# Altium PCB ASCII-senoko_pvt1.PcbDoc (part 3 of 3) (continued)
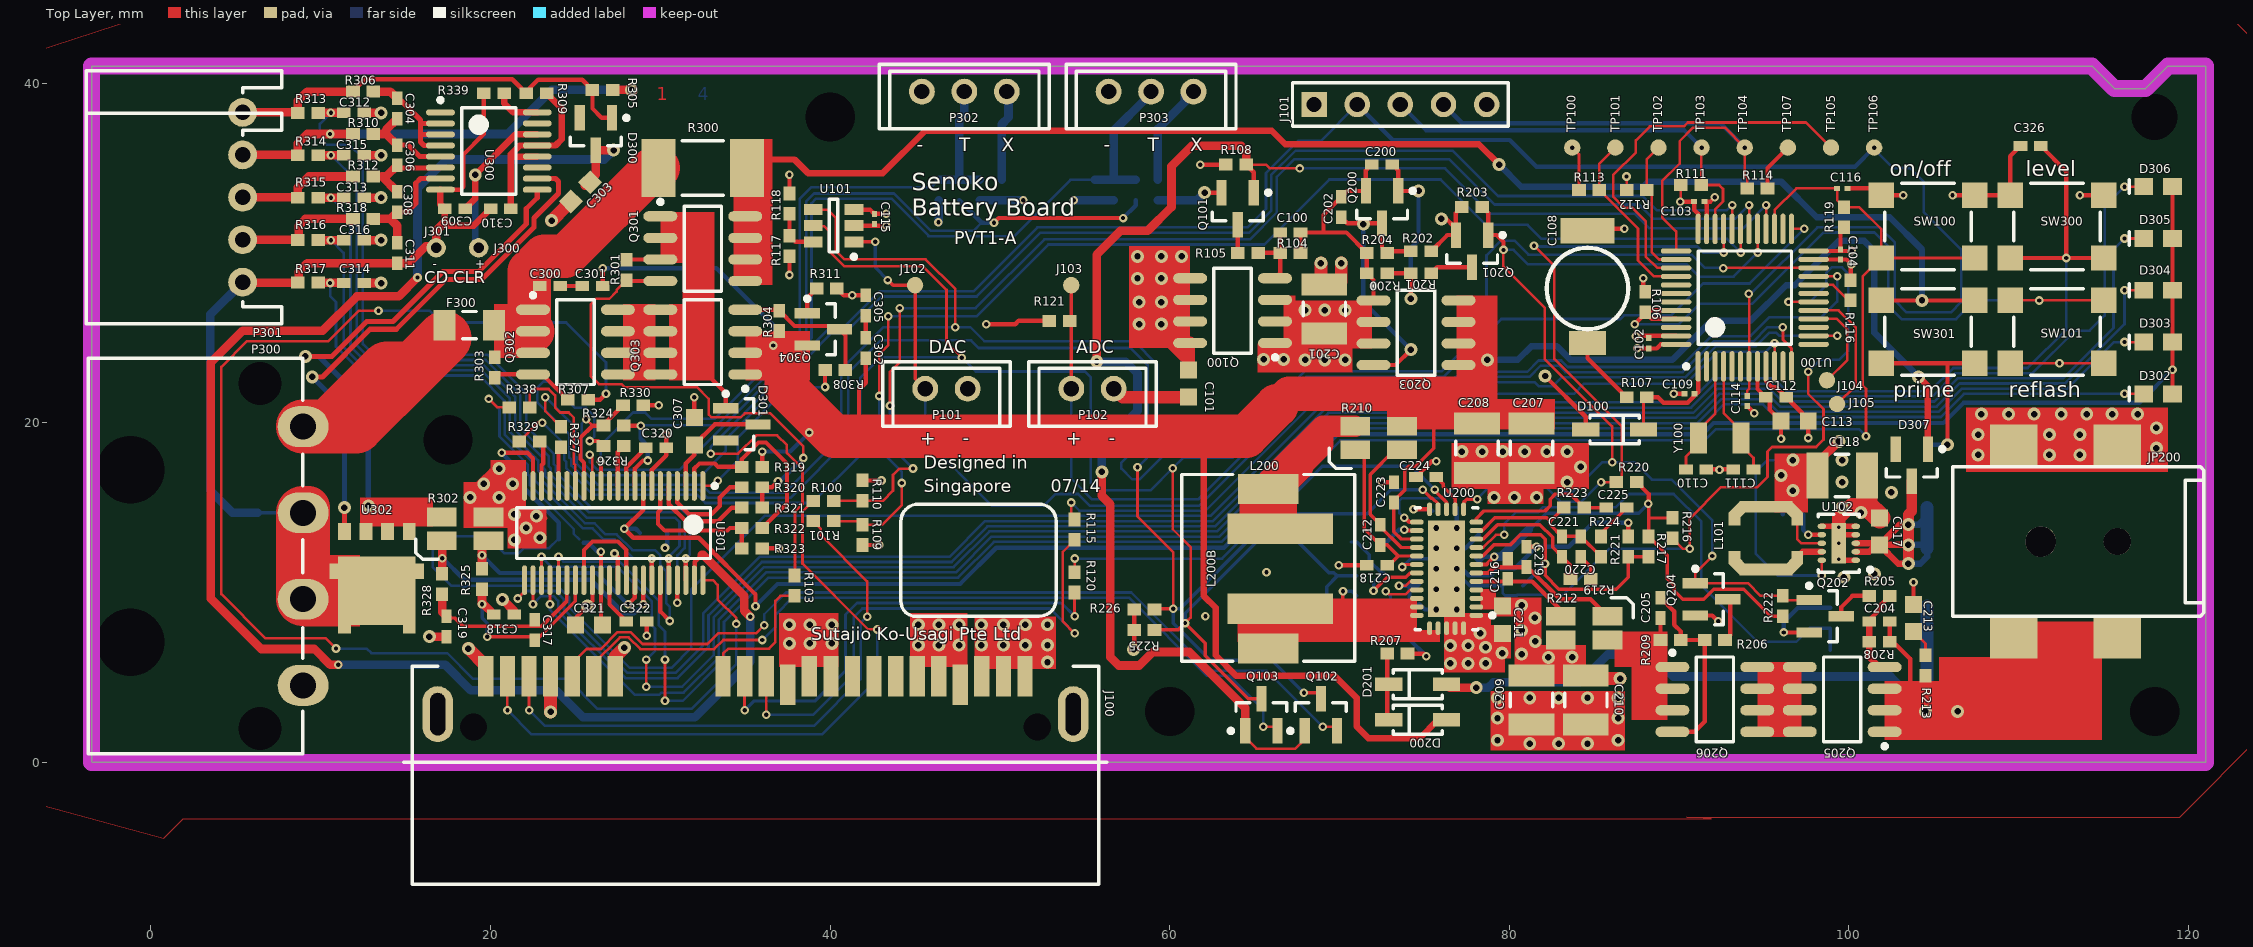
[diagram p0: Top Layer view]
## Nets (pads, with @x,y where several pads share a name; then routed paths per layer and width w, separated by ;. In a path a pad name is that pad's centre, name@x,y a point inside that pad or via, vN(x,y) a via of type N, cw(c..) or ccw(c..) an arc to the next point about the centre after c; other vN are vias at no path point) (continued)
  Top Layer w0.381: C309.1@18.5,32.6 19.1,33.2 v2(19.1,34.6) 21.475,36.975 U300.14@22.75,36.975
  Bottom Layer w0.381: v2(19.1,34.6) 19.1,30.7 J300.1@19.5,30.3
P2_OUT: U300.10 U302.4 | length 31.2
  Top Layer w0.305: v2(9.5,22.7) 10.1,22.7 12.9,25.5 14.447,25.5 17.389,28.443 19.489,28.443 22.557,31.511 22.557,32.057 24,33.5 24,34.2 23.825,34.375 U300.10@22.75,34.375 ; U302.4@11.395,13.595 v2(11.395,14.995)
  Bottom Layer w0.305: v2(9.5,22.7) 11.395,20.805 v2(11.395,14.995)
P2_PCKN: R302.2 U300.9 U302.1 U302.2 U302.3 | length 29.3
  Top Layer w0.305: v2(9.1,23.9) 10.653,23.9 12.711,25.957 14.257,25.957 17.2,28.9 19.3,28.9 22.1,31.7 22.1,32.6 22.75,33.25 U300.9@22.75,33.725
  Bottom Layer w0.305: v2(9.1,23.9) 9.9,23.9 12.8,21 v2(12.8,15.1)
P2_VC1: C304.1 R306.2 U300.2 U300.3 U300.4 | length 8.4
  Top Layer w0.305: C304.1@14.5,39.1 14.6,39.1 15.875,37.825 15.875,37.625 ; U300.4@17.05,36.325 16.075,36.325 15.875,36.525 15.875,37 ; U300.3@17.05,36.975 15.9,36.975 15.875,37 ; U300.2@17.05,37.625 15.875,37.625 ; 15.875,37 15.875,37.625
  Top Layer w0.508: R306.2@13.1,39.5 14.1,39.5 C304.1@14.5,39.1
P2_VC2: C304.2 C306.1 R310.2 U300.5 | length 5.7
  Top Layer w0.305: C306.1@14.5,36.35 15.15,36.35 15.825,35.675 U300.5@17.05,35.675
  Top Layer w0.508: R310.2@13.1,37 13.85,37 ; C306.1@14.5,36.35 13.85,37 ; C304.2@14.5,37.9 13.85,37.25 13.85,37
P2_VC3: C306.2 C308.1 R312.2 U300.6 | length 5.1
  Top Layer w0.305: C306.2@14.5,35.15 14.65,35 17.025,35 U300.6@17.05,35.025
  Top Layer w0.508: C308.1@14.5,33.6 13.6,34.5 13.85,34.5 C306.2@14.5,35.15
P2_VC4: C308.2 C311.1 R318.2 U300.7 | length 7.2
  Top Layer w0.305: C308.2@14.5,32.4 15.1,32.4 15.6,32.9 15.6,34.1 15.875,34.375 U300.7@17.05,34.375
  Top Layer w0.508: R318.2@13.1,32 14.1,32 ; C311.1@14.5,30.6 14.5,31.6 14.1,32 ; C308.2@14.5,32.4 14.1,32
P3.3V_UC: C102.1 C103.1 C104.1 C112.2 C113.2 C115.1 C118.1 C222.1 D100.1 J101.1 L101.2 R102.1 R108.1 R109.2 R110.2 R111.2 R112.2 R113.2 R117.1 R119.2 R121.2 R225.1 R226.1 SW101.1 SW101.2 TP100.1 U100.9 U100.24 U100.36 U100.48 U101.2 U102.8 U102.10 U200.17 | length 62.4
  Top Layer w0.152: v1(83.7,36.2) 84.1,35.8 R113.2@84.1,33.7 ; R112.2@86.9,33.7 v1(86.9,34.5) ; v1@90.05,33.025 90.1,33.075 R111.2@90.1,34 ; L101.2@96.95,14.325 96.95,13.15 97.2,12.9 U102.8@98.4,12.9 ; v1(98.4,11) U102.10@98.4,11.9 ; SW101.1@109.5,23.5 SW101.2@115,23.5
  Top Layer w0.254: v1@37.575,28.675 v1(37.6,28.7) R117.1@37.6,29.8 ; U101.2@41.4,31.6 v1(43.3,31.6) ; R109.2@41.9,12.8 v1(42.875,12.8) ; R110.2@41.9,16.6 v1(43.025,16.6) ; v1(49.2,25.8) 50.9,25.8 51.1,26 R121.2@52.9,26 ; v2(57.875,6.65) 57.9,6.675 R225.1@57.9,7.8 R226.1@57.9,9 ; v1(61.8,35.2) R108.1@63.3,35.2 ; v1(74.35,14.9) U200.17@75.3,14.9 ; v2(82.1,22.75) 84.5,20.35 D100.1@84.5,19.6 D100.1@84.775,19.6 ; v1(87.525,24.375) 88.675,24.375 88.914,24.614 U100.48@89.817,24.614 ; v1@90.05,33.025 v1(90.055,33.02) C103.1@90.88,33.02 90.88,32.545 91.117,32.308 U100.36@91.117,31.414 ; U100.9@95.117,23.314 95.117,22.438 95.475,22.079 95.721,22.079 C112.2@96.3,21.5 97.6,20.2 C113.2@97.6,20.1 v1(97.6,19.1) ; U100.24@97.917,30.114 v1(100.164,30.114) v1@100.175,30.125 ; C104.1@99.5,30.2 R119.2@99.5,31.3
  Top Layer w0.508: C118.1@98.15,16.9 98.15,17.65 v2(99.4,18.9)
  Bottom Layer w0.152: v2(96.7,17.8) 95.2,17.8 94.5,17.1 94.5,12.3 95.8,11 v1(98.4,11)
  Bottom Layer w0.254: v1(74.35,14.9) 75.35,14.9 C222.1@75.45,14.8 ; R102.1@96.1,14.6 96.1,15.4 v2(96.7,16)
  other v1: 112.4,23.5
  other v2: 96,16.9
PM_JRST: R113.1 TP101.1 U100.40 | length 10.6
  Top Layer w0.152: TP101.1@86.24,36.2 85.3,35.26 R113.1@85.3,33.7 87.575,31.425 87.575,29.55 88.511,28.614 U100.40@89.817,28.614
PM_JTCK: J101.4 R114.2 TP104.1 U100.37 | length 33.1
  Top Layer w0.152: U100.37@89.817,30.114 89.817,31.258 89,32.075 89,34.225 90.025,35.25 90.025,36.575 90.825,37.375 92.685,37.375 v1(93.86,36.2) 93.86,34.565 94,34.425 R114.2@94,33.8
  Bottom Layer w0.254: J101.4@76.12,38.74 77.224,37.636 92.424,37.636 v1(93.86,36.2)
PM_JTDI: R112.1 TP102.1 U100.38 | length 8.2
  Top Layer w0.152: TP102.1@88.78,36.2 88.1,35.52 R112.1@88.1,33.7 88.375,33.425 88.375,30.05 88.811,29.614 U100.38@89.817,29.614
PM_JTDO: TP105.1 U100.39 | length 23.1
  Top Layer w0.152: U100.39@89.817,29.114 88.711,29.114 88.025,29.8 88.025,31.875 87.25,32.65 86.781,32.65 86.116,33.316 86.116,34.591 87.45,35.925 87.45,36.625 88.275,37.45 90.275,37.45 90.505,37.68 97.46,37.68 TP105.1@98.94,36.2
PM_JTMS: J101.3 R111.1 TP103.1 U100.34 | length 24.9
  Top Layer w0.152: v1(91.32,36.2) 91.3,36.18 R111.1@91.3,34 92.35,34 92.583,33.767 92.583,33.033 92.125,32.575 92.125,31.422 U100.34@92.117,31.414
  Bottom Layer w0.254: J101.3@73.58,38.74 75.091,37.229 90.291,37.229 v1(91.32,36.2)
PM_NRST: C114.1 J101.2 R103.1 TP106.1 U100.7 | length 130.1
  Top Layer w0.152: v1(32.975,18.175) 34.575,18.175 35.65,19.25 36.875,19.25 37.45,18.675 37.45,18.218 38.371,17.296 38.371,15.202 37.93,14.761 R103.1@37.93,11.087 ; C114.1@94.008,21.582 94.008,21.883 94.117,21.992 U100.7@94.117,23.314 94.117,27.583 v1(94.1,27.6)
  Bottom Layer w0.152: v1(32.975,18.175) 32.975,18.595 39.96,25.58 40.755,25.58 42.91,27.735 48.446,27.735 52.212,31.5 64.565,31.5 65.665,32.6 65.665,34.703 67.563,36.6 68.9,36.6 J101.2@71.04,38.74 ; v1(94.1,27.6) 94.23,27.6 98.135,31.505 101.795,31.505 102.7,30.6 102.7,27.2 103.4,26.5 106,26.5 106.6,27.1 106.6,30.2 104.4,32.4 104.4,34.2 103.6,35 102.6,35 101.48,36.12 v1(101.48,36.2)
  Bottom Layer w0.254: J101.2@71.04,38.74 73.13,36.65 80.025,36.65 81.6,35.075 100.355,35.075 v1(101.48,36.2)
PM_OSC32_IN: C110.1 U100.3 Y100.2 | length 7
  Top Layer w0.152: C110.1@90.273,17.252 C110.1@90.4,17.252 ; C110.1@90.4,17.25 C110.1@90.4,17.252 ; C110.1@90.512,17.252 C110.1@90.4,17.252 ; U100.3@92.117,23.314 92.117,20.517 91.15,19.55 Y100.2@91.15,19.1 91.15,18.75 90.4,18 C110.1@90.4,17.252
PM_OSC32_OUT: C111.1 U100.4 Y100.1 | length 6.8
  Top Layer w0.152: U100.4@92.617,23.314 92.617,20.583 93.65,19.55 Y100.1@93.65,19.1 93.65,18.65 94.375,17.925 C111.1@94.375,17.25 ; C111.1@94.223,17.286 C111.1@94.257,17.252
PM_REFLASH_ALRT: R106.2 SW101.3 SW101.4 U100.44 U100.45 | length 41
  Top Layer w0.152: SW101.3@109.5,27.2 SW101.4@115,27.2
  Top Layer w0.254: v1(87.375,25.8) 88,26.425 R106.2@88,26.5 ; U100.45@89.817,26.114 88.386,26.114 R106.2@88,26.5 ; U100.44@89.817,26.614 88.114,26.614 R106.2@88,26.5
  Bottom Layer w0.152: v1(87.375,25.8) 90,25.8 91.2,27 94.3,27 98.5,31.2 101.5,31.2 102.3,30.4 102.3,26.9 103.1,26.1 106.3,26.1 107.4,27.2 v1(111.2,27.2)
PM_TO_HOST_UART: R100.1 R110.1 U100.30 | length 74.3
  Top Layer w0.152: R100.1@40.2,15.4 R110.1@41.9,15.4 43.1,15.4 43.7,16 43.7,16.925 44.075,17.3 v1(44.875,17.3) ; v1(43.525,21) 43.525,23 44.1,23.575 v1(44.1,26.75) ; U100.30@94.117,31.414 v1(94.117,32.817)
  Bottom Layer w0.152: v1(43.525,21) 43.525,18.65 v1(44.875,17.3) ; v1(44.1,26.75) 48.569,26.75 52.619,30.8 64.728,30.8 66.3,32.372 66.3,34.475 67.35,35.525 76.45,35.525 79.125,32.85 87.625,32.85 88.475,32 93.3,32 v1(94.117,32.817)
PM_VBAT: C109.1 D100.2 R107.2 U100.1 | length 7
  Top Layer w0.152: D100.2@87.9,19.6 87.9,21.3 R107.2@88.1,21.5 ; C109.1@90.914,21.658 C109.1@90.914,21.707
  Top Layer w0.254: R107.2@88.1,21.5 88.75,21.5 89.08,21.17 90.497,21.17 91.117,21.789 U100.1@91.117,23.314
PWR_TO_HOST: C101.1 J100.1 J100.2 J100.3 Q100.5 Q100.6 Q100.7 Q100.8 | length 3.1
  Top Layer w0.762: 60.1,24.7 61.1,23.7 ; C101.1@61.1,23.1 61.1,23.7 ; Q100.8@61.2,24.695 61.1,24.595 61.1,23.7
  other v2: 52.8,5.9 48.9,6.9 50.2,6.9 51.5,6.9 52.8,6.9 48.9,8.1 50.2,8.1 51.5,8.1 52.8,8.1 58.2,25.8 59.5,25.8 58.2,27.1 59.5,27.1 58.1,28.5 59.5,28.5 58.1,29.8 59.5,29.8 60.7,29.8
RAW_ACIN: C204.2 D101.1 D201.1 JP200.1 Q205.1 Q205.2 Q205.3 R208.1 R213.1 R214.1 | length 43.2
  Top Layer w0.254: C204.2@102.4,8.3 R208.1@102.4,7.1 102.6,7.1 103.6,6.1 103.6,4.3
  Top Layer w0.508: D201.1@76.3,4.6 76.5,4.4 v2(78.05,4.4)
  Bottom Layer w0.508: v2(78.05,4.4) 78.756,4.4 79.063,4.707 84.157,4.707 85.8,6.35 88.35,6.35 89.65,5.05 102.45,5.05 v2(104.5,3) v2(106.4,3)
  Bottom Layer w0.762: v2(104.5,3) 104.6,3.1 D101.1@104.6,9.2
UC_BOOTSTRAP: C117.1 D101.2 D307.3 D308.2 U102.2 U102.3 | length 20.9
  Top Layer w0.381: U102.2@100.4,12.4 101.2,12.4 101.7,12.9 U102.3@100.4,12.9 ; v2(103.5,11.7) 102.9,11.7 C117.1@101.8,12.8 ; v2(103.5,12.8) C117.1@101.8,12.8 ; v2(103.5,14) 103,14 C117.1@101.8,12.8
  Top Layer w0.635: v2(103.5,11.7) v2(103.5,14) 103.5,14.6 103.7,14.8 D307.3@103.7,16.55
  Bottom Layer w0.381: v2(103.5,11.7) 104.2,11.7 104.6,12.1 D101.2@104.6,12.6 104.4,12.8 v2(103.5,12.8) ; v2(103.5,14) 104.1,14 104.6,14.5 D308.2@104.6,15
  Bottom Layer w0.762: D101.2@104.6,12.6 D308.2@104.6,15
USART2_TX_ADC2: J103.1 P102.1 R121.1 U100.12 | length 60.8
  Top Layer w0.178: v1(96.1,25.614) 96.1,24.9 96.617,24.383 U100.12@96.617,23.314
  Top Layer w0.203: P102.1@54.2,22 J103.1@54.2,28.1
  Bottom Layer w0.152: P102.1@54.2,22 54.2,16.7 55.4,15.5 61.693,15.5 68.302,22.109 76.678,22.109 77.264,22.695 81.183,22.695 81.847,23.36 82.917,23.36 83.3,22.976 90.207,22.976 92.026,24.795 94.364,24.795 95.183,25.614 v1(96.1,25.614)
VBAT: F300.1 P300.1 | length 17
  Top Layer w3.175: P300.1@8.96,19.77 10.47,19.77 ; F300.1@17.3,25 15.5,23.2 ; 10.47,19.77 13.9,23.2 15.5,23.2 ; 10.47,19.77 12.07,19.77 15.5,23.2
VC1: D300.1 P301.1 R305.2 R306.1 R309.1 R313.1 | length 25.3
  Top Layer w0.254: R306.1@11.9,39.5 11.9,39.521 12.6,40.221 21.279,40.221 R309.1@22.1,39.4 22.1,39.5 22.8,40.2 25.4,40.2 R305.2@26,39.6 26,38.5 26.55,37.95 D300.1@27.15,37.95
  Top Layer w0.508: P301.1@5.4,38.275 8.625,38.275 R313.1@8.65,38.25 8.65,38.95 9.2,39.5 R306.1@11.9,39.5
VC2: P301.2 R305.1 R310.1 R314.1 | length 27.4
  Top Layer w0.508: P301.2@5.4,35.775 8.625,35.775 R314.1@8.65,35.75 8.65,36.45 9.2,37 v1(10.55,37) R310.1@11.9,37 ; R305.1@27.2,39.6 v2(28.3,39.6)
  Bottom Layer w0.508: v1(10.55,37) 21,37 23.6,39.6 v2(28.3,39.6)
VC3: P301.3 R312.1 R315.1 | length 7.4
  Top Layer w0.508: P301.3@5.4,33.275 8.625,33.275 R315.1@8.65,33.25 8.65,33.85 9.3,34.5 R312.1@11.9,34.5
VC4: P301.4 R316.1 R318.1 | length 7.5
  Top Layer w0.508: P301.4@5.4,30.775 8.625,30.775 R316.1@8.65,30.75 8.7,30.8 8.7,31.6 9.1,32 R318.1@11.9,32
pads on no net: D300.2 D301.2 D307.2 J100.0 J100.7 J100.8 J100.9 JP200.0 P300.0 P300.4 U100.2 U100.5 U100.6 U100.11 U100.13 U100.15 U100.19 U100.26 U100.41 U100.42 U100.43 U100.46 U300.1 U300.11 U300.15 U301.12 U301.17 U301.19

## Polygon pours and split planes (outlines as drawn)
GND on Bottom Layer "bottom - GND" (solid, remove dead copper, pour order 2): 111.875,43.625 1.375,43.625 -5.8,42.4 -5.2,-2 0.925,-3.05 120.875,-3.05 124.8,0.875 124.8,39.975 121.25,43.525 111.15,43.525
GND on Top Layer "bottom - GND" (solid, remove dead copper, pour order 4): 90.45,-3.225 119.475,-3.225 124.375,1.675 124.375,42 121.775,44.6 1.65,44.6 -7,41.8 -7.6,-2.2 0.75,-4.475 1.9,-3.325 91.875,-3.325
GND on Internal Plane 1 (split plane): 87.321,14.357 87.321,13.868 87.182,13.729 86.793,13.729 86.604,13.918 86.604,14.282 86.818,14.496 87.182,14.496
GND on Internal Plane 1 (split plane): 82.021,12.957 82.021,12.568 81.732,12.279 81.493,12.279 81.179,12.593 81.179,12.882 81.389,13.093 81.886,13.093
GND on Internal Plane 1 (split plane): 76.396,17.657 76.396,16.45 76.396,15.443 75.127,14.173 75.104,14.14 75.096,14.1 75.096,9.925 75.104,9.885 75.127,9.852 75.427,9.552 75.46,9.529 75.5,9.521 75.882,9.521 76.221,9.182 76.221,8.618 75.957,8.354 70.743,8.354 69.254,9.843 69.254,11.5 69.254,14.532 72.893,18.171 75.882,18.171
GND on Internal Plane 1 (split plane): 37.521,18.157 37.521,12.368 36.607,11.454 34.75,11.454 34.71,11.446 34.677,11.423 30.282,7.029 28.743,7.029 27.348,8.423 27.315,8.446 27.275,8.454 18.275,8.454 18.235,8.446 18.202,8.423 16.532,6.754 15.493,6.754 15.229,7.018 15.229,8.282 18.293,11.346 20.4,11.346 20.408,11.348 21.55,11.348 21.589,11.356 21.622,11.378 22.272,12.028 22.294,12.061 22.302,12.1 22.302,13.205 23.118,14.021 26.15,14.021 26.19,14.029 26.223,14.052 27.723,15.552 27.734,15.569 27.746,15.585 27.754,15.625 27.754,20.557 28.968,21.771 33.907,21.771
GND on Internal Plane 1 (split plane): 120.49,0.51 -2.99,0.51 -2.99,40.49 114.089,40.49 115.264,39.314 115.341,39.251 115.43,39.203 115.525,39.174 115.625,39.165 117.475,39.165 117.575,39.174 117.67,39.203 117.759,39.251 117.836,39.314 119.011,40.49 120.49,40.49
no net on Internal Plane 2 (split plane): 98.998,11.258 98.998,10.742 98.758,10.502 98.142,10.502 97.902,10.742 97.902,11.258 98.142,11.498 98.758,11.498
CHG_SYS on Internal Plane 2 (split plane): 72.477,25.877 72.494,25.866 72.51,25.854 72.55,25.846 77.482,25.846 82.027,21.302 82.044,21.291 82.06,21.279 82.1,21.271 84.532,21.271 85.296,20.507 85.296,17.4 85.304,17.36 85.327,17.327 86.121,16.532 86.121,14.918 85.077,13.873 85.054,13.84 85.046,13.8 85.046,10.225 85.054,10.185 85.077,10.152 87.546,7.682 87.546,4.943 87.082,4.479 78.975,4.479 78.935,4.471 78.902,4.448 77.882,3.429 75.543,3.429 74.429,4.543 74.429,7.482 74.948,8.002 74.959,8.019 74.971,8.035 74.979,8.075 74.979,15.025 74.971,15.065 74.948,15.098 74.623,15.423 74.59,15.446 74.55,15.454 71.718,15.454 64.904,22.268 64.904,24.757 67.493,27.346 71.007,27.346
PWR_TO_HOST on Internal Plane 2 (split plane): 62.446,29.432 62.446,22.418 55.302,15.273 55.279,15.24 55.271,15.2 55.271,7.168 53.307,5.204 48.468,5.204 48.329,5.343 48.329,11.532 49.823,13.027 49.846,13.06 49.854,13.1 49.854,27.482 53.093,30.721 61.157,30.721
P3.3V_UC on Internal Plane 2 (split plane): 120.49,0.51 -2.99,0.51 -2.99,40.49 114.089,40.49 115.264,39.314 115.341,39.251 115.43,39.203 115.525,39.174 115.625,39.165 117.475,39.165 117.575,39.174 117.67,39.203 117.759,39.251 117.836,39.314 119.011,40.49 120.49,40.49

## Keep-outs
Keep-Out Layer:
  the board outline again, w1
  text "Route board on centerline of this outline" at 98.2,-3.1 h0.76

## Other copper
Top Layer:
  rectangle net NetC205_2: 87.2,2.5 89.3,6.1
  rectangle net NetC205_2: 86.2,5.6 89.3,7.7
  rectangle net RAW_ACIN: 105.3,4.4 108.7,6.2
  rectangle net RAW_ACIN: 102.1,1.3 114.9,4.8
  rectangle net P3.3V_UC: 95.6,14.7 97.6,18.2
  rectangle net CHG_SYS: 65.175,22.95 67.375,24.675
  rectangle net CHG_SYS: 67.175,22.95 70.75,25.15
  rectangle net GND: 76.15,7.9 78.1,8.8
  rectangle net GND: 76.15,5.275 79.75,6.325
  rectangle net GND: 78,7.65 78.925,8.8
  rectangle net GND: 76.15,6.1 80.1,8.1
  rectangle net GND: 106.9,17.1 118.8,20.9
  rectangle net PWR_TO_HOST: 48.5,5.5 53.3,8.6
  rectangle net GND: 37,5.6 40.5,8.8
  rectangle net GND: 44.7,5.6 48.1,8.8
  rectangle net GND: 78.7,15.2 82,16.6
  rectangle net GND: 76.6,16.1 84.7,18.8
  rectangle net PWR_TO_HOST: 57.6,24.4 61.2,30.4
  rectangle net CHG_SYS: 66.7,24.4 67.4,27.5
  rectangle net CHG_SYS: 66.7,24.375 71.9,27.2
  rectangle net BAT_PROTECTED: 72.8,19.6 82.7,21.4
  rectangle net BAT_PROTECTED: 76.9,19.8 79.3,27.5
  rectangle net NetC206_2: 74.1,7.1 75.9,7.8
  rectangle net NetC206_2: 64,7.1 74.55,9.65
  rectangle net GND: 78.9,0.7 86.8,4.2
  rectangle net CHG_SYS: 79.1,8.6 81.1,9.7
  rectangle net CHG_SYS: 78.3,9 79.2,10.2
  rectangle net CHG_SYS: 80.3,5.5 81.9,9.7
  rectangle net CHG_SYS: 81.3,4.6 84.5,6.9
  rectangle net NetQ205_5: 94.6,1.5 97.2,5.9
  rectangle net RAW_ACIN: 108.3,2.7 114.9,8.3
  rectangle net BAT_PROTECTED: 35,22.5 38.8,25.4
  rectangle net GND: 20,15.4 22.1,17.8
  rectangle net GND: 21,12.6 23.3,15.1
  rectangle net GND: 18.4,13.8 22.1,16.5
  rectangle net NetQ301_5: 34.3,28.1 36.6,36.7
  rectangle net NetD301_1: 30,29.4 32.3,32.4
  rectangle net NetD301_1: 31.3,26.9 33.2,32.4
  rectangle net NetD301_1: 30.5,22.5 33.2,27
  rectangle net NetD301_1: 27.8,22.5 29.7,27
  rectangle net NetC300_2: 20.2,23.8 22.2,27
  rectangle net NetL200_2: 64.1,14.1 67.5,15.6
  rectangle net BAT_PGND: 9,8 12.3,12.2
  rectangle net P2_PCKN: 12.3,13.9 16.6,15.6
  text "1" at 29.8,39 h0.76
Bottom Layer:
  text "4" at 32.2,39 h0.76
Internal Plane 1 (plane layer: these items are gaps in the copper):
  rectangle: 31.1,38.7 33,40
  rectangle: 29.5,38.7 30.2,40
  lines w0.2: 20.4,11.45 21.55,11.45 22.2,12.1 22.2,13.25
  lines w0.203: 20.4,11.45 18.25,11.45 15.125,8.325 15.125,6.975 15.45,6.65 16.575,6.65 18.275,8.35 24.95,8.35 27.275,8.35 28.7,6.925 30.325,6.925 34.75,11.35 36.65,11.35 37.625,12.325 37.625,18.2 33.95,21.875 28.925,21.875 27.65,20.6 27.65,15.625 26.15,14.125 23.075,14.125 22.2,13.25 ; 69.15,9.8 70.7,8.25 74.9,8.25 76,8.25 76.325,8.575 76.325,9.225 75.925,9.625 75.5,9.625 75.2,9.925 75.2,14.1 76.5,15.4 76.5,16.45 76.5,17.7 75.925,18.275 72.85,18.275 69.15,14.575 69.15,11.5 69.15,9.8 ; 81.075,12.55 81.075,12.925 81.346,13.196 81.929,13.196 82.125,13 82.125,12.525 81.775,12.175 81.45,12.175 81.075,12.55 ; 86.5,13.875 86.5,14.325 86.775,14.6 87.225,14.6 87.425,14.4 87.425,13.825 87.225,13.625 86.75,13.625 86.5,13.875
  lines w1.016: 121,41 121,0 -3.5,0 -3.5,41 114.3,41 115.625,39.675 117.475,39.675 118.8,41 121,41 ; 121,41 121,41
  text "2" at 30.4,39 h0.76
Internal Plane 2 (plane layer: these items are gaps in the copper):
  rectangle: 32,38.7 33,40
  rectangle: 29.5,38.7 31.1,40
  lines w0.2: 97.8,10.7 97.8,11.3 98.1,11.6 98.8,11.6 99.1,11.3 99.1,10.7 98.8,10.4 98.1,10.4 97.8,10.7
  lines w0.203: 77.075,25.95 77.525,25.95 ; 77.525,25.95 82.1,21.375 84.575,21.375 85.4,20.55 85.4,17.4 86.225,16.575 86.225,14.875 85.15,13.8 85.15,10.225 87.65,7.725 87.65,4.9 87.125,4.375 81.075,4.375 78.975,4.375 77.925,3.325 75.5,3.325 74.325,4.5 74.325,7.525 74.875,8.075 74.875,15.025 74.55,15.35 71.675,15.35 64.8,22.225 64.8,24.8 67.45,27.45 71.05,27.45 72.55,25.95 77.525,25.95 ; 48.225,5.3 48.425,5.1 53.35,5.1 55.375,7.125 55.375,15.2 62.55,22.375 62.55,29.475 61.2,30.825 53.05,30.825 49.75,27.525 49.75,13.1 48.225,11.575 48.225,5.3
  lines w1.016: 121,41 121,0 -3.5,0 -3.5,41 114.3,41 115.625,39.675 117.475,39.675 118.8,41 121,41 ; 121,41 121,41
  text "3" at 31.3,39 h0.76

## Silkscreen, mask and mechanical layers (free items; w line width, h text height)
Top Overlay:
  lines w0.2: 44.167,9.469 ccw(c45.035,9.469) 45.035,8.602 52.295,8.602 ccw(c52.295,9.618) 53.311,9.618 53.311,14.19 ccw(c52.295,14.19) 52.295,15.206 45.183,15.206 ccw(c45.183,14.19) 44.167,14.19 44.167,9.469
  text "-" at 45.1,36 h0.8
  text "T" at 47.6,36 h0.8
  text "X" at 50.1,36 h0.8
  text "-" at 56.1,36 h0.8
  text "T" at 58.7,36 h0.8
  text "X" at 61.2,36 h0.8
  text "on/off" at 102.4,34.5 h0.9
  text "level" at 110.4,34.5 h0.9
  text "Senoko" at 44.8,33.7 h1.02
  text "Battery Board" at 44.8,32.2 h1.02
  text "PVT1-A" at 47.3,30.5 h0.76
  text "-" at 16.6,29.1 h0.51
  text "+" at 19.1,29.1 h0.51
  text "CD CLR" at 16.1,28.2 h0.71
  text "DAC" at 45.8,24.1 h0.76
  text "ADC" at 54.5,24.1 h0.76
  text "prime" at 102.6,21.5 h0.9
  text "reflash" at 109.4,21.5 h0.9
  text "+" at 45.3,18.7 h0.8
  text "-" at 47.8,18.7 h0.8
  text "+" at 53.9,18.7 h0.8
  text "-" at 56.4,18.7 h0.8
  text "Designed in" at 45.5,17.3 h0.76
  text "Singapore" at 45.5,15.9 h0.76
  text "07/14" at 53,15.9 h0.76
  text "Sutajio Ko-Usagi Pte Ltd" at 38.9,7.2 h0.76
Bottom Overlay:
  circle w0.127: c55.633,13.65 r0.583
  rectangle: 97.3,27 112,31.9
  text "S/N:" at 115.2,30.9 h0.76
  text "c bunnie@kosagi.com" at 55.9,13.4 h0.76
  text "CC3.0-BY-SA + XL1.0" at 56.2,11.9 h0.76
Mechanical 2:
  lines w0.1: -3.5,0 -3.5,35
Mechanical 3:
  lines w0.127: 130.952,-3.766 132.222,-5.036 ; 130.952,50.844 132.222,52.114 ; 133.492,-3.766 132.222,-5.036 ; 133.492,50.844 132.222,52.114 ; 156.352,-1.226 198.262,-1.226 ; 156.352,14.014 198.262,14.014 195.722,11.474 ; 156.352,35.604 198.262,35.604 195.722,33.064 ; 156.352,48.304 198.262,48.304 ; 157.622,11.474 160.162,14.014 ; 157.622,33.064 160.162,35.604 ; 158.892,0.044 160.162,-1.226 ; 158.892,11.474 161.432,14.014 ; 158.892,14.014 156.352,11.474 198.262,11.474 ; 158.892,33.064 161.432,35.604 ; 158.892,35.604 156.352,33.064 198.262,33.064 ; 158.892,47.034 160.162,48.304 ; 160.162,11.474 162.702,14.014 ; 160.162,33.064 162.702,35.604 ; 161.432,0.044 160.162,-1.226 ; 161.432,47.034 160.162,48.304 ; 162.702,11.474 165.242,14.014 ; 162.702,33.064 165.242,35.604 ; 163.972,11.474 166.512,14.014 ; 163.972,33.064 166.512,35.604 ; 165.242,11.474 167.782,14.014 ; 165.242,33.064 167.782,35.604 ; 167.303,49.592 168.573,50.862 ; 167.782,11.474 170.322,14.014 ; 167.782,33.064 170.322,35.604 ; 168.573,48.322 171.113,50.862 ; 169.052,11.474 171.592,14.014 ; 169.052,33.064 171.592,35.604 ; 169.843,48.322 171.113,49.592 ; 169.843,50.862 167.303,48.322 167.303,50.862 171.113,50.862 ; 170.322,11.474 172.862,14.014 ; 170.322,33.064 172.862,35.604 ; 171.113,48.322 171.113,50.862 ; 171.592,11.474 174.132,14.014 ; 171.592,33.064 174.132,35.604 ; 173.903,49.592 175.173,50.862 ; 174.132,11.474 176.672,14.014 ; 174.132,33.064 176.672,35.604 ; 175.173,48.322 177.713,50.862 ; 175.402,11.474 177.942,14.014 ; 175.402,33.064 177.942,35.604 ; 176.443,48.322 177.713,49.592 ; 176.443,50.862 173.903,48.322 173.903,50.862 177.713,50.862 ; 176.672,11.474 179.212,14.014 ; 176.672,33.064 179.212,35.604 ; 177.713,48.322 177.713,50.862 ; 177.942,11.474 180.482,14.014 ; 177.942,33.064 180.482,35.604 ; 180.482,11.474 183.022,14.014 ; 180.482,33.064 183.022,35.604 ; 181.752,11.474 184.292,14.014 ; 181.752,33.064 184.292,35.604 ; 185.562,11.474 188.102,14.014 ; 185.562,33.064 188.102,35.604 ; 186.832,11.474 189.372,14.014 ; 186.832,33.064 189.372,35.604 ; 190.642,-2.496 191.912,-1.226 ; 190.642,-1.226 190.642,-3.766 ; 190.642,11.474 193.182,14.014 ; 190.642,33.064 193.182,35.604 ; 190.642,49.574 191.912,50.844 ; 191.912,-3.766 194.452,-1.226 194.452,-3.766 190.642,-3.766 ; 191.912,11.474 194.452,14.014 ; 191.912,33.064 194.452,35.604 ; 191.912,48.304 194.452,50.844 ; 193.182,-3.766 194.452,-2.496 ; 193.182,-1.226 190.642,-3.766 ; 193.182,11.474 195.722,14.014 ; 193.182,33.064 195.722,35.604 ; 193.182,48.304 194.452,49.574 ; 193.182,50.844 190.642,48.304 190.642,50.844 194.452,50.844 ; 194.452,11.474 196.992,14.014 ; 194.452,33.064 196.992,35.604 ; 194.452,48.304 194.452,50.844 ; 196.992,11.474 198.262,12.744 ; 196.992,33.064 198.262,34.334 ; 132.222,-5.036 132.222,52.114 ; 160.162,-1.226 160.162,48.304 ; 156.352,12.744 157.622,14.014 156.352,12.744 ; 156.352,34.334 157.622,35.604 156.352,34.334 ; 161.432,11.474 163.972,14.014 161.432,11.474 ; 161.432,33.064 163.972,35.604 161.432,33.064 ; 166.512,11.474 169.052,14.014 166.512,11.474 ; 166.512,33.064 169.052,35.604 166.512,33.064 ; 172.862,11.474 175.402,14.014 172.862,11.474 ; 172.862,33.064 175.402,35.604 172.862,33.064 ; 179.212,11.474 181.752,14.014 179.212,11.474 ; 179.212,33.064 181.752,35.604 179.212,33.064 ; 183.022,11.474 185.562,14.014 183.022,11.474 ; 183.022,33.064 185.562,35.604 183.022,33.064 ; 184.292,11.474 186.832,14.014 184.292,11.474 ; 184.292,33.064 186.832,35.604 184.292,33.064 ; 188.102,11.474 190.642,14.014 188.102,11.474 ; 188.102,33.064 190.642,35.604 188.102,33.064 ; 189.372,11.474 191.912,14.014 189.372,11.474 ; 189.372,33.064 191.912,35.604 189.372,33.064
  text "Board name: Senoko PVT1A" at 144.922,76.244 h1
  text "Contact: bunnie@kosagi.com" at 144.922,73.704 h1
  text "No impedance control requirement" at 170.2,58 h0.76
  text "Silk: white" at 170.363,56.197 h0.76
  text "Soldermask: matte black" at 170.238,54.697 h0.76
  text "Material and thickness" at 129.682,54.654 h1.27
  text "Finish: Immersion gold" at 170.238,53.347 h0.76
  text "Plate 0.5 oz" at 144.922,49.574 h0.76
  text "Top-bottom pair" at 160.162,49.574 h0.76 r45
  text "Copper 1.0 oz" at 144.922,48.304 h0.76
  text "Total 1.5 oz" at 144.922,46.78 h0.76
  text "Prepreg" at 134.762,38.144 h0.76
  text "FR-4 0.1mm" at 144.922,38.144 h0.76
  text "Copper 1 oz" at 144.922,34.334 h0.76
  text "Plane" at 202.072,34.334 h0.76
  text "0.035mm" at 147.97,33.064 h0.76
  text "Core" at 134.762,22.904 h0.76
  text "FR-4 height as needed to meet overall height spec" at 144.922,22.904 h0.76
  text "Overall height: 1.58mm +/-10%" at 130.952,17.824 h0.76 r90
  text "Copper 1 oz" at 144.922,12.744 h0.76
  text "0.035mm" at 147.97,11.474 h0.76
  text "Plane" at 202.072,11.474 h0.76
  text "Prepreg" at 134.762,7.664 h0.76
  text "FR-4 0.1mm" at 144.922,7.664 h0.76
  text "Copper 1.0 oz" at 144.922,-2.496 h0.76
  text "Finish: Immersion gold" at 170.313,-3.403 h0.76
  text "Plate 0.5 oz" at 144.922,-3.766 h0.76
  text "Soldermask: green" at 170.188,-5.003 h0.76
  text "Total 1.5oz" at 145.081,-5.334 h0.76
  text "Silk: white" at 170.313,-6.603 h0.76
  text "Mech via: 10 mil hole / 20 mil pad smallest" at 144.772,-8.716 h0.76
  text "Route: 6mil / 6mil smallest" at 144.772,-11.256 h0.76
Drill Drawing:
  text ".LEGEND" at 134.63,1.28 h1.52
  text "Drill Drawing." at 134.63,-1.26 h1.52